# Altium PCB PCB1_done2.PcbDoc (part 3 of 3)
Units mm, origin at the board's own origin, x right, y up, seen from the top; angles counter-clockwise.
Board outline 90.17 x 95.89 mm, 8 copper layers (Top Layer, Top Signal Layer, Vbat-chrg, Internal Plane 1, GND-nBat, Internal Plane 2, Bottom Signal Layer, Bottom Layer), stack 1.566 mm thick; 236 components, 256 nets, 986 pads, 235 vias.
Unrouted connection lines stored in the file: 10.
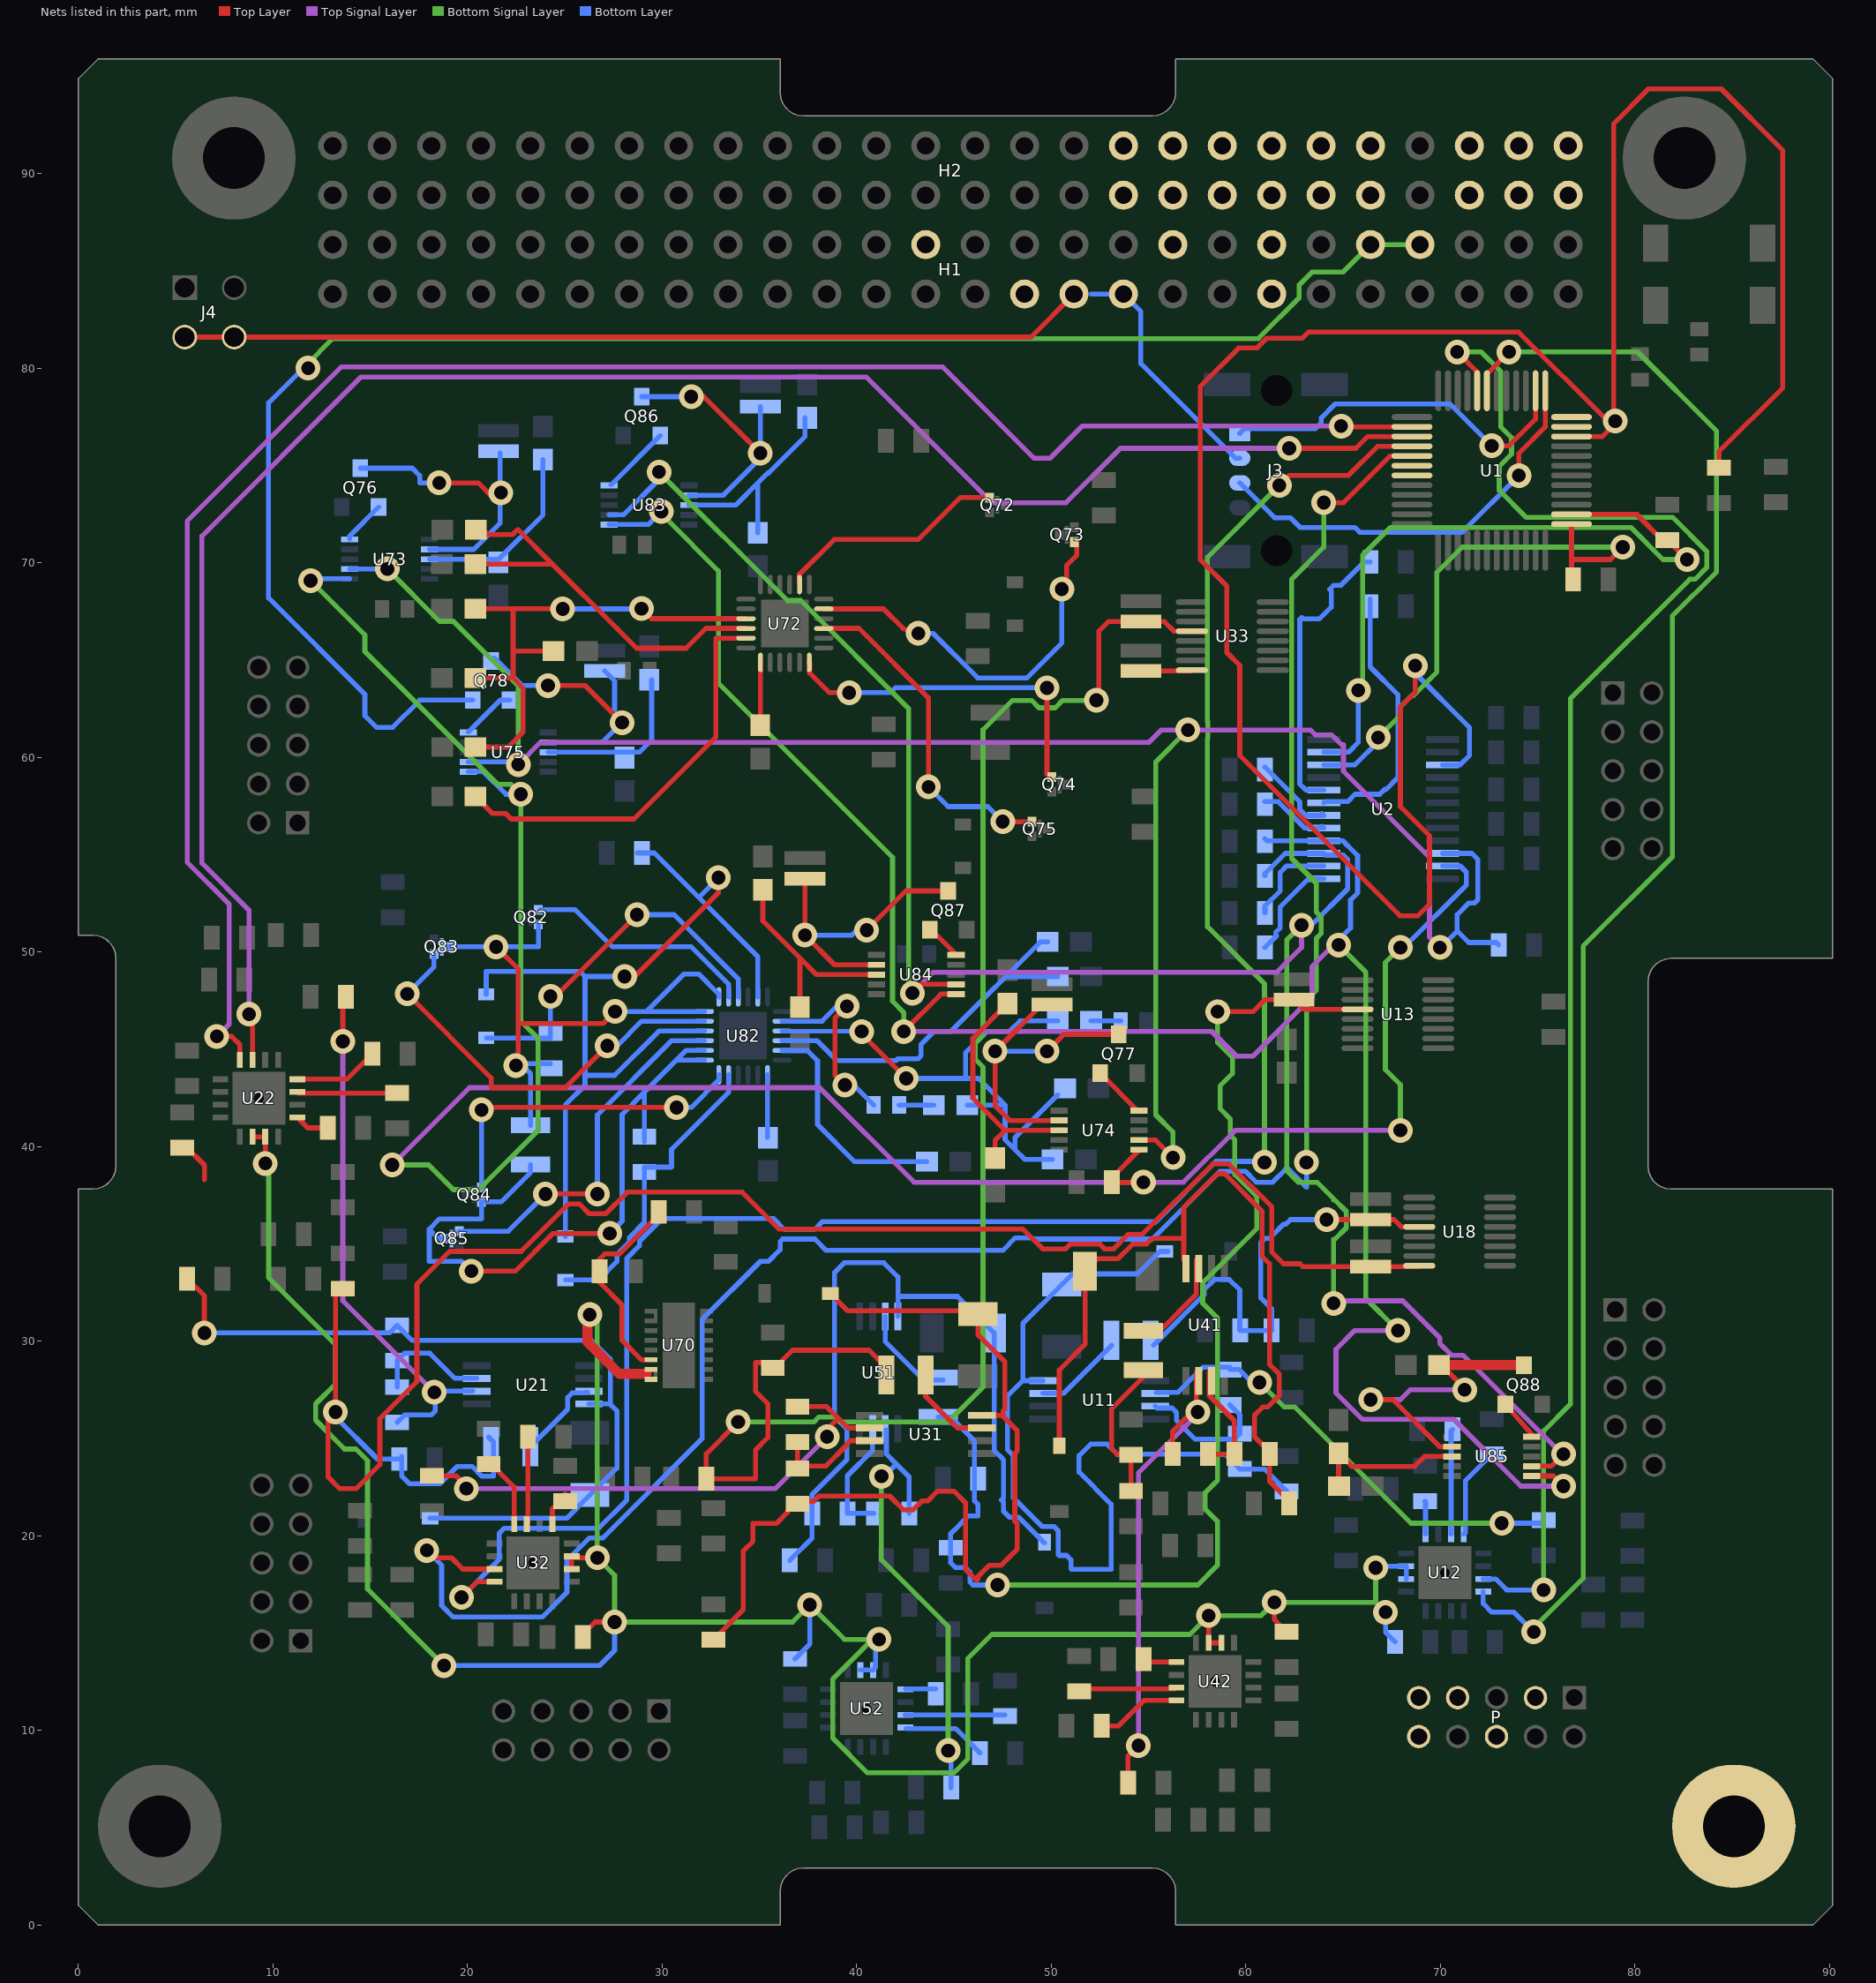
[diagram p9: the nets of this part, all layers, seen from the top]

## Via types
v1: diameter 1.27, hole 0.711, Top Layer to Bottom Layer, 226 vias
v2: diameter 0.5, hole 0.2, Top Layer to Bottom Layer, 8 vias
v3: diameter 1.27, hole 0.711, Top Layer to Bottom Layer, tented bottom, 1 vias

## Nets (pads, with @x,y where several pads share a name; then routed paths per layer and width w, separated by ;. In a path a pad name is that pad's centre, name@x,y a point inside that pad or via, vN(x,y) a via of type N, cw(c..) or ccw(c..) an arc to the next point about the centre after c; other vN are vias at no path point) (continued)
NetC83_2: C83.2 R85.2 | length 1.5
  Bottom Layer w0.254: R85.2@52.057,46.46 C83.2@53.581,46.46
NetC84_1: C84.1 R87.2 | length 1.8
  Bottom Layer w0.254: C84.1@42.191,42.142 R87.2@43.979,42.142
NetC84_2: C84.2 U82.2 | length 10.1
  Top Layer w0.254: v1(39.402,43.166) 38.894,43.674 38.894,46.607 v1(39.509,47.222)
  Bottom Layer w0.254: U82.2@36.175,46.448 38.227,46.448 39.001,47.222 v1(39.509,47.222) ; v1(39.402,43.166) 39.857,43.166 C84.2@40.881,42.142
NetC86_1: C86.1 D82.2 D83.2 U82.16 U82.23 | length 48.5
  Top Layer w0.254: v1(28.079,48.746) 28.599,48.746 32.905,53.052 v1(32.905,53.826)
  Bottom Layer w0.254: D82.2@20.967,47.829 20.967,49 25.793,49 26.047,48.746 ; D83.2@25.031,35.383 25.031,42.142 26.047,43.158 26.047,43.666 ; v1(28.079,48.746) 26.047,48.746 ; C86.1@28.729,55.096 29.603,55.096 31.889,52.81 ; U82.16@32.175,45.948 29.853,45.948 27.571,43.666 26.047,43.666 ; v1(32.905,53.826) 31.889,52.81 ; U82.23@34.925,47.698 34.925,49.774 31.889,52.81 ; 26.047,43.666 26.047,48.746
NetC87_1: C87.1 D82.1 U82.21 | length 19.1
  Top Layer w0.254: v1(24.269,47.73) 24.523,47.73 v1(28.714,51.921)
  Bottom Layer w0.254: D82.1@20.98,45.586 24.269,45.586 v1(24.269,47.73) ; v1(28.714,51.921) 30.619,51.921 33.925,48.615 U82.21@33.925,47.698
NetC87_2: C87.2 L82.1 Q82.2 Q83.3 Q83.4 U82.18 U82.19 | length 32.4
  Top Layer w0.254: v1(21.475,50.27) 22.618,49.127 22.618,46.333 ; v1(22.491,44.174) 22.618,44.301 22.618,46.333 ; v1(27.591,46.948) 26.976,46.333 22.618,46.333
  Bottom Layer w0.254: Q83.3@18.873,50.27 v1(21.475,50.27) 23.634,50.27 23.647,50.283 Q82.2@23.647,51.419 ; L82.1@23.249,41.095 23.249,43.746 22.72,44.276 C87.2@24.269,44.276 ; v1(27.591,46.948) U82.18@32.175,46.948 ; 29.222,46.968 31.127,48.873 31.889,48.873 32.925,47.837 U82.19@32.925,47.698
NetC88_1: C88.1 D83.1 U82.11 | length 15.8
  Bottom Layer w0.254: D83.1@25.031,33.153 26.737,33.153 27.681,34.097 27.681,34.465 28.333,35.117 28.333,35.34 29.095,36.102 29.095,38.952 30.477,38.952 ; 30.492,38.967 30.492,39.856 33.425,42.789 U82.11@33.425,43.698
NetC88_2: C88.2 L82.2 Q84.2 Q85.3 Q85.4 U82.13 U82.14 | length 36.2
  Top Layer w0.254: v1(20.201,33.602) 22.46,33.602 24.396,35.538 v1(27.317,35.538)
  Bottom Layer w0.254: Q85.3@18.977,35.284 Q85.3@18.806,35.284 18.519,35.284 18.042,35.761 ; v1(20.201,33.602) 19.693,34.11 18.042,34.11 18.042,35.761 ; 20.609,36.29 18.571,36.29 18.042,35.761 ; Q84.2@20.722,37.164 Q84.2@20.726,37.164 ; 20.726,36.29 Q84.2@20.726,37.164 ; L82.2@23.249,39.079 23.249,38.682 21.731,37.164 Q84.2@20.726,37.164 ; v1(27.317,35.538) 27.952,36.173 27.952,41.654 29.095,42.797 ; C88.2@29.095,40.262 29.095,42.797 ; U82.13@32.175,44.448 30.746,44.448 ; U82.14@32.175,44.948 31.246,44.948 30.746,44.448 ; 29.095,42.797 30.746,44.448
NetCf11_1: Cf11.1 Rf11.2 U11.7 | length 7.1
  Bottom Layer w0.254: U11.7@55.355,26.668 55.456,26.566 56.224,26.566 56.447,26.343 56.447,25.931 57.412,24.966 59.419,24.966 Rf11.2@59.698,25.245 59.698,26.225 Cf11.1@59.19,26.733
NetCf11_2: Cf11.2 Rf12.2 U11.6 | length 24.1
  Bottom Signal Layer w0.254: v1@60.714,27.938 v1(60.714,27.887) 61.984,26.617 62.532,26.617 68.501,20.648 v1(73.16,20.648)
  Bottom Layer w0.254: U11.6@55.411,27.379 56.523,27.379 57.818,28.674 Cf11.2@59.19,28.674 ; Cf11.2@59.19,28.547 59.673,28.547 60.587,27.633 60.714,27.76 v1(60.714,27.887) ; v1(73.16,20.648) 75.167,20.648 Rf12.2@75.319,20.8
NetCf21_1: Cf21.1 Rf21.2 U21.7 | length 6.1
  Bottom Layer w0.254: Cf21.1@16.391,27.644 Rf21.2@16.391,29.005 16.772,29.386 18.067,29.386 19.363,28.09 U21.7@20.48,28.09
NetCf21_2: Cf21.2 Rf22.2 U21.6 | length 26.5
  Top Layer w0.254: v1(13.597,45.413) 13.597,47.547 Rf22.2@13.749,47.699
  Top Signal Layer w0.254: v1(13.597,45.413) 13.597,32.078 v1(18.296,27.379)
  Bottom Layer w0.254: Cf21.2@16.391,25.83 16.772,26.211 18.144,26.211 18.34,26.407 v1@18.34,26.801 ; v1@18.677,27.435 U21.6@20.262,27.435
NetCf31_1: Cf31.1 Rf31.2 U31.7 | length 5.5
  Top Layer w0.254: Cf31.1@36.965,24.828 36.965,23.594 38.427,23.594 39.505,24.672 39.505,24.712 39.683,24.89 U31.7@40.673,24.89
NetCf31_2: Cf31.2 Rf32.2 U31.6 | length 27.2
  Top Layer w0.254: Rf32.2@18.169,23.086 19.414,23.086 19.947,22.553 v1(19.947,22.426) ; Cf31.2@36.965,26.642 38.464,26.642 39.012,26.094 ; v1(38.489,25.093) 38.489,25.474 39.012,25.997 39.012,26.094 ; U31.6@40.673,25.545 39.561,25.545 39.012,26.094
  Top Signal Layer w0.254: v1(19.947,22.426) 35.822,22.426 v1(38.489,25.093)
NetCf41_1: Cf41.1 Rf41.2 U41.7 | length 6.1
  Top Layer w0.254: Cf41.1@58.058,24.204 Rf41.2@59.419,24.204 59.419,25.92 58.123,27.216 U41.7@58.123,28.42
NetCf41_2: Cf41.2 Rf42.2 U41.6 | length 25.3
  Top Layer w0.254: Rf42.2@53.958,7.313 53.958,8.685 v1(54.491,9.218) ; Cf41.2@56.244,24.204 56.244,25.365 v1@57.093,26.214 ; v1@57.241,26.065 57.468,26.292 U41.6@57.468,28.42
  Top Signal Layer w0.254: v1(54.491,9.218) 54.491,23.228 57.539,26.276 v1(57.539,26.363)
NetCf51_1: Cf51.1 Rf51.2 U51.7 | length 5.6
  Bottom Layer w0.254: U51.7@40.826,24.89 40.826,24.382 39.53,23.086 Rf51.2@39.53,21.156 Cf51.1@40.891,21.156
NetCf51_2: Cf51.2 Rf52.2 U51.6 | length 23.3
  Bottom Signal Layer w0.254: v1(41.283,23.061) 41.283,18.764 44.712,15.335 v1(44.712,8.964)
  Bottom Layer w0.254: v1(41.283,23.061) 41.41,23.061 42.045,23.696 ; U51.6@41.537,25.443 41.537,24.204 42.045,23.696 ; Cf51.2@42.705,21.156 42.705,23.036 42.045,23.696 ; v1(44.712,8.964) 44.864,8.812 Rf52.2@44.864,7.059
NetCout1_2: Cout1.2 Dout1.1 Rf11.1 Rs1.1 U11.4 | length 45.4
  Bottom Layer w0.254: U11.4@49.584,27.973 48.548,27.973 ; Dout1.1@56.015,34.618 55.601,34.618 54.445,33.462 51.1,33.462 Cout1.2@50.554,32.916 48.548,30.91 48.548,27.973 ; Rs1.1@62.111,22.299 60.979,23.431 Rf11.1@59.698,23.431 58.925,24.204 53.388,24.204 52.88,24.712 52.038,24.712 51.443,24.117 51.443,23.275 53.086,21.632 53.086,18.288 51.054,18.288 51.021,18.321 51.021,18.772 50.798,18.995 50.41,18.995 50.371,19.035 50.371,20.254 50.148,20.477 49.538,20.477 48.065,21.951 48.065,24.122 47.752,24.435 47.752,27.177 48.548,27.973
NetCout2_2: Cout2.2 Dout2.1 Rf21.1 Rs2.1 U21.4 | length 42.5
  Top Layer w0.254: Rs2.1@5.596,33.221 6.474,32.343 v1@6.474,30.3
  Bottom Layer w0.254: v1(6.485,30.427) 15.999,30.427 Rf21.1@16.391,30.819 17.164,30.046 26.383,30.046 27.343,29.086 27.343,26.761 27.681,26.423 27.681,23.48 Cout2.2@26.297,22.096 25.103,20.902 Dout2.1@18.081,20.902 ; U21.4@26.251,26.785 27.32,26.785
NetCout3_2: Cout3.2 Dout3.1 Rf31.1 Rs3.1 U31.4 | length 48.6
  Top Layer w0.254: Rs3.1@32.647,14.668 34.171,16.192 ; 34.171,16.203 34.171,19.207 34.679,19.715 34.679,20.637 35.883,20.637 36.457,21.211 36.457,21.272 36.965,21.78 37.801,21.78 38.066,22.045 41.704,22.045 42.413,21.336 42.904,21.336 43.359,21.791 43.656,21.791 44.164,22.299 45.006,22.299 45.601,21.704 45.601,18.28 46.164,17.716 46.236,17.788 46.236,17.894 46.831,18.489 47.445,18.489 48.26,19.304 48.26,20.625 48.133,20.752 48.133,24.235 48.26,24.362 48.26,25.415 47.48,26.195 U31.4@46.444,26.195 ; Dout3.1@38.655,32.459 39.544,31.57 46.058,31.57 Cout3.2@46.236,31.392 46.236,30.344 47.62,28.959 47.62,26.503 47.536,26.419 47.536,26.139
NetCout4_2: Cout4.2 Dout4.1 Rf41.1 Rs4.1 U41.4 | length 40.4
  Top Layer w0.254: Dout4.1@50.427,24.624 50.427,28.522 51.748,29.843 Cout4.2@51.748,33.602 52.383,34.237 53.431,34.237 54.181,34.986 54.899,34.986 55.196,35.283 56.818,35.283 ; U41.4@56.818,34.191 56.818,36.879 58.547,38.608 58.928,38.608 60.841,36.695 60.841,34.368 61.222,33.987 61.222,28.816 61.73,28.308 61.73,27.212 61.135,26.617 60.881,26.617 60.46,26.196 60.46,25.097 61.233,24.324 Rf41.1@61.233,24.204 61.233,22.796 Rs4.1@62.365,21.664
NetCout5_2: Cout5.2 Dout5.1 Rf51.1 Rs5.1 U51.4 | length 40
  Bottom Layer w0.254: Rs5.1@36.573,18.743 37.716,19.886 Rf51.1@37.716,21.156 37.716,22.119 39.505,23.908 39.505,25.514 38.87,26.149 38.87,33.536 39.37,34.036 41.402,34.036 42.131,33.307 U51.4@42.131,31.27 ; 42.131,32.306 45.195,32.306 Cout5.2@47.074,30.427 47.074,24.394 47.557,23.912 47.557,21.956 47.449,21.848 47.557,21.74 47.557,21.253 47.854,20.955 48.342,20.955 Dout5.1@49.665,19.632
NetJ4_1: 
NetLx1_2: Lx1.2 U11.3 | length 4.5
  Bottom Layer w0.254: U11.3@49.584,27.323 50.641,27.323 Lx1.2@53.11,29.792
NetLx2_2: Lx2.2 U21.3 | length 4.5
  Bottom Layer w0.254: Lx2.2@23.233,24.585 25.159,26.511 25.159,27.121 25.382,27.344 25.992,27.344 26.027,27.379 U21.3@26.195,27.379
NetLx3_2: Lx3.2 U31.3 | length 4.7
  Top Layer w0.254: Lx3.2@43.553,28.268 43.553,27.166 44.991,25.728 45.006,25.728 45.189,25.545 U31.3@46.444,25.545
NetLx4_2: Lx4.2 U41.3 | length 5.3
  Top Layer w0.254: Lx4.2@54.745,30.538 55.593,30.538 57.468,32.413 U41.3@57.468,34.191
NetLx5_2: Lx5.2 U51.3 | length 5.1
  Bottom Layer w0.254: U51.3@41.481,31.27 41.481,29.975 43.442,28.014 Lx5.2@44.458,28.014
NetQ72_1: Q72.1 U72.20 | length 11.9
  Top Layer w0.254: U72.20@37.068,68.888 37.068,69.416 38.858,71.206 43.176,71.206 45.329,73.359 Q72.1@46.759,73.359
NetQ73_1: Q73.1 U72.17 | length 20
  Top Layer w0.254: U72.17@38.318,67.638 41.386,67.638 42.39,66.634 v1(43.176,66.38) ; v1(50.554,68.654) 50.73,68.654 50.808,68.732 50.808,69.88 51.316,70.388 Q73.1@51.316,71.085
  Bottom Layer w0.254: v1(43.176,66.38) 43.938,66.38 46.224,64.094 48.764,64.094 50.554,65.884 v1(50.554,68.654)
NetQ74_1: Q74.1 U72.12 | length 17.8
  Top Layer w0.254: U72.12@37.568,64.888 37.588,64.868 37.588,64.348 38.604,63.332 v1(39.62,63.332) ; v1(49.792,63.574) 49.792,59.15 Q74.1@49.946,58.996
  Bottom Layer w0.254: v1(39.62,63.332) 41.739,63.332 41.993,63.586 v1@49.665,63.586
NetQ75_1: Q75.1 U72.15 | length 17.5
  Top Layer w0.254: U72.15@38.318,66.638 40.124,66.638 43.696,63.066 v1(43.696,58.494) ; v1(47.518,56.704) Q75.1@49.017,56.704
  Bottom Layer w0.254: v1(43.696,58.494) 44.712,57.478 46.744,57.478 v1(47.518,56.704)
NetQ76_1: Q76.1 U73.10 | length 2.3
  Bottom Layer w0.254: U73.10@13.953,71.231 13.953,71.39 Q76.1@15.436,72.873
NetQ76_3: Q76.3 R710.1 U73.2 | length 16.1
  Top Layer w0.254: v1(18.55,74.115) 20.555,74.115 21.317,73.353 21.571,73.607 v1(21.725,73.607)
  Bottom Layer w0.254: Q76.3@14.486,74.873 17.169,74.873 17.55,74.492 17.55,74.115 v1(18.55,74.115) v1@18.55,73.984 ; U73.2@18.055,70.698 20.328,70.698 21.686,72.056 R710.1@21.686,75.661
NetQ77_1: Q77.1 U74.10 | length 2.7
  Top Layer w0.254: Q77.1@52.525,43.778 U74.10@54.421,41.882
NetQ77_3: Q77.3 R713.1 U74.2 | length 17
  Top Layer w0.254: v1(49.792,44.905) 50.665,45.778 Q77.3@53.475,45.778 ; R713.1@50.046,47.357 49.577,47.357 v1(47.125,44.905) 47.125,42.111 47.887,41.349 U74.2@50.414,41.349
  Bottom Layer w0.254: v1(47.125,44.905) v1(49.792,44.905)
NetQ78_1: Q78.1 U75.10 | length 2.8
  Bottom Layer w0.254: U75.10@20.049,61.313 21.69,62.955 Q78.1@22.167,62.955
NetQ78_3: Q78.3 R716.1 U75.2 | length 15.2
  Top Layer w0.254: v1(24.138,63.701) 26.043,63.701 v1(27.948,61.796)
  Bottom Layer w0.254: Q78.3@21.36,65.098 21.413,65.098 22.81,63.701 v1(24.138,63.701) ; U75.2@24.151,60.78 26.932,60.78 v1(27.948,61.796) 27.567,62.177 27.567,63.938 R716.1@27.059,64.446
NetQ82_1: Q82.1 U82.20 | length 11.9
  Bottom Layer w0.254: Q82.1@23.74,52.175 25.539,52.175 27.444,50.27 31.508,50.27 33.425,48.353 U82.20@33.425,47.698
NetQ83_1: Q83.1 U82.17 | length 21.6
  Top Layer w0.254: v1(16.903,47.857) 21.221,43.539 21.221,43.031 25.031,43.031 v1(27.19,45.19)
  Bottom Layer w0.254: v1(16.903,47.857) 18.287,49.241 Q83.1@18.287,49.895 ; v1(27.19,45.19) 27.698,45.19 28.956,46.448 U82.17@32.175,46.448
NetQ84_1: Q84.1 U82.12 | length 17
  Top Layer w0.254: v1@20.726,42.015 v1(30.746,42.015)
  Bottom Layer w0.254: Q84.1@20.726,37.914 v1(20.726,41.888) ; v1(30.746,42.015) 31.508,42.015 32.925,43.432 U82.12@32.925,43.698
NetQ85_1: Q85.1 U82.15 | length 19
  Top Layer w0.254: v1(24.015,37.57) v1(26.682,37.57)
  Bottom Layer w0.254: Q85.1@19.583,35.659 22.104,35.659 v1(24.015,37.57) ; v1(26.682,37.57) 26.682,41.634 30.496,45.448 U82.15@32.175,45.448
NetQ86_1: Q86.1 U83.10 | length 3.6
  Bottom Layer w0.254: U83.10@27.383,74.013 Q86.1@29.914,76.544
NetQ86_3: Q86.3 R810.1 U83.2 | length 14.4
  Top Layer w0.254: v1(31.504,78.544) 32.155,78.544 v1(35.06,75.639)
  Bottom Layer w0.254: Q86.3@28.964,78.544 v1(31.504,78.544) ; U83.2@31.39,73.48 33.155,73.48 35.06,75.385 v1(35.06,75.639) R810.1@35.06,78.035
NetQ87_1: Q87.1 U84.10 | length 1.9
  Top Layer w0.254: Q87.1@43.81,51.192 U84.10@45.118,49.883
NetQ87_3: Q87.3 R813.1 U84.2 | length 15.5
  Top Layer w0.254: R813.1@37.346,53.778 v1(37.346,50.874) 38.87,49.35 39.505,49.35 U84.2@41.016,49.35 ; v1(40.521,51.128) 42.537,53.144 Q87.3@44.712,53.144
  Bottom Layer w0.254: v1(37.346,50.874) 39.759,50.874 40.013,51.128 v1(40.521,51.128)
NetQ88_1: Q88.1 U85.10 | length 2.2
  Top Layer w0.254: Q88.1@73.353,26.76 U85.10@74.811,25.093
NetQ88_3: Q88.3 R816.1 U85.2 | length 16.3
  Top Layer w0.254: v1(66.429,26.998) 67.567,26.998 69.98,24.585 U85.2@70.607,24.585 ; R816.1@70.073,28.776 71.255,27.594 v1(71.255,27.506)
  Top Layer w0.508: R816.1@70.073,28.776 Q88.3@74.43,28.776
  Top Signal Layer w0.254: v1(66.429,26.998) 67.953,26.998 68.461,27.506 v1(71.255,27.506)
NetR9_2: R9.2 U33.8 | length 2.6
  Top Layer w0.254: R9.2@54.618,64.446 U33.8@57.228,64.446
NetR14_1: R14.1 U12.16 | length 4.7
  Bottom Layer w0.254: U12.16@71.214,20.089 71.291,20.167 71.291,22.843 71.302,22.843 R14.1@72.652,24.193
NetR15_1: R15.1 U12.15 | length 5.4
  Bottom Layer w0.254: U12.15@70.564,20.089 70.564,25.407 R15.1@70.631,25.474
NetR16_1: R16.1 U12.13 | length 1.7
  Bottom Layer w0.254: R16.1@69.223,21.78 69.248,21.755 U12.13@69.248,20.089
NetR24_1: R24.1 U22.16 | length 4.4
  Top Layer w0.254: U22.16@11.26,43.467 13.799,43.467 R24.1@15.11,44.778
NetR25_1: R25.1 U22.15 | length 5.2
  Top Layer w0.254: U22.15@11.26,42.817 11.32,42.757 R25.1@16.391,42.757
NetR26_1: R26.1 U22.13 | length 1.8
  Top Layer w0.254: U22.13@11.26,41.501 11.794,40.968 R26.1@12.824,40.968
NetR34_1: R34.1 U32.16 | length 3.8
  Top Layer w0.254: R34.1@21.09,23.823 22.401,22.512 U32.16@22.401,20.597
NetR35_1: R35.1 U32.15 | length 4.9
  Top Layer w0.254: U32.15@23.051,20.597 23.111,20.657 R35.1@23.111,25.474
NetR36_1: R36.1 U32.13 | length 1.8
  Top Layer w0.254: U32.13@24.367,20.597 24.367,21.385 25.027,22.045 R36.1@25.027,22.161
NetR44_1: R44.1 U42.16 | length 4.4
  Top Layer w0.254: R44.1@52.597,10.234 53.475,10.234 54.786,11.545 U42.16@56.447,11.545
NetR45_1: R45.1 U42.15 | length 5.1
  Top Layer w0.254: R45.1@51.443,11.758 51.813,12.128 U42.15@56.38,12.128
NetR46_1: R46.1 U42.13 | length 1.8
  Top Layer w0.254: R46.1@54.756,13.663 54.908,13.511 U42.13@56.447,13.511
NetR54_1: R54.1 U52.16 | length 4.3
  Bottom Layer w0.254: U52.16@42.554,10.096 45.093,10.096 R54.1@46.352,8.837
NetR55_1: R55.1 U52.15 | length 5.1
  Bottom Layer w0.254: U52.15@42.502,10.798 R55.1@47.633,10.798
NetR56_1: R56.1 U52.13 | length 1.5
  Bottom Layer w0.254: U52.13@42.528,12.139 R56.1@44.066,12.139
NetR70_1: R70.1 R71.2 U70.6 | length 10.5
  Top Layer w0.254: U70.6@29.444,29.042 28.952,29.042 27.94,30.054 27.94,31.877 26.794,33.023 R70.1@26.794,33.602 26.794,34.226 27.059,34.491 27.821,34.491 R71.2@29.828,36.498
NetR72_1: R72.1 R73.2 U72.4 | length 21
  Top Layer w0.254: R73.2@20.404,71.714 20.801,71.714 21.055,71.46 22.317,71.46 22.571,71.714 22.602,71.714 24.38,69.936 ; R72.1@20.418,69.936 24.38,69.936 ; U72.4@34.318,66.638 32.258,66.638 31.238,65.618 28.698,65.618 27.678,66.638 24.38,69.936
NetR74_1: R74.1 R75.1 R76.2 R77.1 U72.3 | length 27.6
  Top Layer w0.254: R75.1@20.316,67.65 24.888,67.65 v1(24.9,67.638) ; R74.1@20.404,64.094 22.348,64.094 ; R76.2@20.418,60.538 22.094,60.538 22.856,61.3 22.856,63.586 22.348,64.094 ; 22.348,67.65 22.348,65.479 ; R77.1@24.431,65.479 22.348,65.479 ; v1(28.952,67.65) 29.464,67.138 U72.3@34.318,67.138 ; 22.348,64.094 22.348,65.479
  Bottom Layer w0.254: v1(24.9,67.638) 28.94,67.638 v1(28.952,67.65)
NetR78_2: R78.2 U72.7 | length 3.2
  Top Layer w0.254: R78.2@35.068,61.676 U72.7@35.068,64.888
NetR79_2: R79.2 U72.5 | length 21.2
  Top Layer w0.254: R79.2@20.418,57.998 21.288,57.128 21.963,57.128 22.248,56.843 28.559,56.843 32.774,61.058 32.774,66.138 U72.5@34.318,66.138
NetR82_1: R82.1 R83.2 U82.4 | length 19.6
  Bottom Layer w0.254: U82.4@36.175,45.448 37.967,45.448 38.987,44.428 42.036,44.428 42.132,44.524 43.166,44.524 43.315,44.673 43.315,45.251 43.985,45.921 44.839,45.921 49.442,50.524 R83.2@49.821,50.524 ; 47.686,48.746 R82.1@50.343,48.746
NetR84_1: R84.1 R85.1 R86.2 R87.1 U82.3 | length 30.1
  Top Layer w0.254: v1(40.267,45.921) 40.267,45.794 v1(42.553,43.508)
  Bottom Layer w0.254: U82.3@36.175,45.948 v1(40.267,45.921) ; v1(42.553,43.508) 45.601,43.508 ; R87.1@45.693,42.142 47.637,42.142 ; R86.2@50.075,39.348 48.653,39.348 48.141,39.86 ; R84.1@50.337,42.656 48.141,40.46 48.141,39.86 ; R85.1@50.343,46.46 48.399,46.46 47.86,45.921 46.704,45.921 45.601,44.818 45.601,43.508 ; 45.601,43.508 46.271,43.508 47.637,42.142 ; 47.637,42.142 47.637,40.364 48.141,39.86
NetR88_2: R88.2 U82.7 | length 3.2
  Bottom Layer w0.254: R88.2@35.425,40.486 U82.7@35.425,43.698
NetR89_2: R89.2 U82.5 | length 11.7
  Bottom Layer w0.254: U82.5@36.175,44.948 36.187,44.936 37.477,44.936 37.997,44.416 37.997,41.138 39.906,39.229 R89.2@43.618,39.229
NetR711_1: R711.1 R712.2 U73.3 | length 9.6
  Bottom Layer w0.254: U73.3@18.055,70.19 21.598,70.19 23.884,72.476 R711.1@23.884,75.309
NetR714_1: R714.1 R715.2 U74.3 | length 12.4
  Top Layer w0.254: R715.2@47.125,39.419 47.125,40.333 47.633,40.841 ; R714.1@47.76,47.357 45.982,45.579 45.982,42.492 47.633,40.841 ; U74.3@50.414,40.841 47.633,40.841
NetR717_1: R717.1 R718.2 U75.3 | length 8.7
  Bottom Layer w0.254: U75.3@24.151,60.272 28.837,60.272 29.472,60.907 R717.1@29.472,63.994
NetR811_1: R811.1 R812.2 U83.3 | length 10.9
  Bottom Layer w0.254: U83.3@31.39,72.972 33.79,72.972 34.933,74.115 ; R812.2@34.933,71.55 34.933,74.115 ; R811.1@37.346,77.456 37.346,76.488 35.481,74.623 35.441,74.623 34.933,74.115
NetR814_1: R814.1 R815.2 U84.3 | length 11.1
  Top Layer w0.254: R814.1@35.187,53.199 35.187,51.596 37.092,49.691 ; R815.2@37.092,47.166 37.092,49.691 ; U84.3@41.016,48.842 38.576,48.842 37.941,48.842 37.092,49.691
NetR817_1: R817.1 R818.2 U85.3 | length 7.6
  Top Layer w0.254: R818.2@64.778,22.528 R817.1@64.778,24.077 ; R817.1@64.944,24.077 65.452,23.569 68.683,23.569 69.191,24.077 U85.3@70.607,24.077
PA0: H2.47
PA1: H2.48
PA2: H2.49
PA3: H2.50
PA22: H1.26
PA30: H1.40
PA31: H1.39
PB26: H1.36
PC11: H2.51
PC16: H2.52
PC17: H2.34
PC18: H2.33
PC19: H2.36
PC20: H2.35
PC21: H2.38
PC22: H2.37
PC23: H2.40
PC24: H2.39
PC25: H2.42
PC26: H2.41
PC27: H2.44
PC28: H2.43
PTT: H1.44 H1.46 Q78.2 | length 88.1
  Bottom Signal Layer w0.254: v1(11.811,80.01) 11.684,80.137 13.081,81.534 60.654,81.534 62.75,83.63 62.75,84.288 63.413,84.951 65.012,84.951 H1.44@66.421,86.36 H1.46@68.961,86.36
  Bottom Layer w0.254: v1(11.811,80.01) 11.684,80.137 9.779,78.232 9.779,68.199 14.728,63.25 14.728,62.149 15.323,61.554 16.165,61.554 17.534,62.923 17.534,62.955 Q78.2@20.267,62.955 ; H1.46@68.834,86.487 H1.46@69.088,86.487
RESET: R18.1 U1.46 U2.3 | length 124.5
  Top Layer w0.254: v1(68.715,64.717) 68.715,63.36 67.953,62.598 67.953,57.474 69.453,55.974 69.453,52.465 68.858,51.87 67.933,51.87 59.698,60.105 59.698,64.738 59.031,65.404 59.031,68.813 57.666,70.178 57.666,79.068 59.649,81.051 60.587,81.051 61.095,81.559 62.917,81.559 63.22,81.862 74.041,81.862 78.613,77.29 v1(79.002,77.29) 78.926,77.366 78.926,92.581 80.706,94.361 84.455,94.361 87.609,91.207 87.609,78.998 84.336,75.725 R18.1@84.336,74.888 ; U1.46@76.752,76.5 78.339,76.5 v1@79.066,77.227
  Bottom Layer w0.254: v1(68.715,64.717) 68.715,64.336 71.509,61.542 71.509,60.107 71.028,59.626 U2.3@70.114,59.626
RST: J3.1 U1.2 | length 18.9
  Top Layer w0.254: v1(72.652,76.02) 73.541,76.02 74.902,77.381 U1.2@74.902,78.85
  Bottom Layer w0.254: J3.1@59.698,76.655 59.952,76.909 63.595,76.909 63.889,77.203 63.889,77.457 64.611,78.179 70.493,78.179 v1(72.652,76.02)
SC3: R133.2 U2.11 U74.6 U75.6 | length 125.2
  Top Layer w0.254: U74.6@54.516,39.808 53.119,38.411 R133.2@53.119,38.174 v1(54.745,38.174)
  Top Signal Layer w0.254: v1(16.137,39.063) 20.105,43.031 38.1,43.031 42.957,38.174 v1(54.745,38.174) 56.802,38.174 59.469,40.841 v1(67.953,40.841)
  Bottom Signal Layer w0.254: v1(11.938,69.088) 14.728,66.298 14.728,65.451 21.558,58.621 22.233,58.621 v1(22.741,58.113) 22.741,46.456 23.63,45.567 23.63,40.841 20.582,37.793 19.277,37.793 18.007,39.063 v1(16.137,39.063) ; v1(67.953,40.841) 67.953,43.191 67.183,43.961 67.183,49.469 v1(67.953,50.239)
  Bottom Layer w0.254: v1(11.938,69.088) 12.04,69.19 13.953,69.19 ; U75.6@20.049,59.272 20.82,59.272 21.979,58.113 v1(22.741,58.113) ; v1(67.953,50.239) 68.141,50.239 71.345,53.443 71.345,54.109 71.028,54.426 U2.11@70.114,54.426
SC4: R142.2 U2.14 | length 4.8
  Bottom Layer w0.254: R142.2@60.993,52.017 60.993,52.367 61.781,53.155 61.781,54.1 62.107,54.426 U2.14@64.014,54.426
SC5: R152.2 U2.16 U83.6 U84.6 U85.6 | length 116.4
  Top Layer w0.254: v1(42.426,45.921) 44.347,47.842 U84.6@45.118,47.842 ; U85.6@74.709,23.077 75.811,23.077 v1(76.335,22.553)
  Top Signal Layer w0.254: v1(42.426,45.921) 58.261,45.921 59.531,44.651 60.373,44.651 63.421,47.699 63.421,49.263 64.651,50.493 v1(64.778,50.366) ; v1(67.826,30.554) 65.606,30.554 64.643,29.591 64.643,27.347 66.008,25.982 70.712,25.982 74.141,22.553 v1(76.335,22.553)
  Bottom Signal Layer w0.254: v1@30.279,72.591 30.279,72.21 32.901,69.588 32.901,63.828 41.855,54.875 41.855,47.469 42.426,46.897 v1(42.426,45.921) ; v1(64.778,50.366) 66.175,48.969 66.175,32.205 v1(67.826,30.554)
  Bottom Layer w0.254: U83.6@27.288,71.972 29.3,71.972 v1@29.569,72.241 ; R152.2@60.993,55.827 R152.2@61,55.82 ; R152.2@61.094,55.726 U2.16@64.014,55.726 64.996,55.726 65.159,55.563 65.159,55.533 65.202,55.49 65.232,55.49 65.753,54.969 65.753,53.036 65.391,52.673 65.391,51.233 64.651,50.493 v1(64.778,50.366)
  other v1: 29.972,72.644
SC6: R162.2 U2.18 | length 4.4
  Bottom Layer w0.254: R162.2@60.993,59.51 62.783,57.72 62.783,57.343 63.1,57.026 U2.18@64.014,57.026 U2.18@63.92,57.12
SC7: R172.2 U2.20 | length 15.4
  Bottom Layer w0.254: U2.20@64.014,58.326 63.1,58.326 62.783,58.643 62.783,67.101 62.886,67.204 62.96,67.13 63.802,67.13 64.397,67.725 64.397,68.567 64.323,68.641 64.535,68.853 64.905,68.853 66.103,70.051 R172.2@66.404,70.051
SCA: R100.1 U1.38 U2.23 | length 37.4
  Top Layer w0.254: U1.38@76.752,72.5 80.098,72.5 81.415,71.183 R100.1@81.669,71.183 82.674,70.178 v1(82.685,70.178)
  Top Signal Layer w0.254: v1@66.008,63.447 v1(65.794,63.447) v1@66.175,63.447
  Bottom Signal Layer w0.254: v1@66.008,63.447 66.008,70.392 67.445,71.829 79.804,71.829 81.455,70.178 v1(82.685,70.178)
  Bottom Layer w0.254: U2.23@64.014,60.276 65.29,60.276 65.794,60.78 v1(65.794,63.447) v1@66.175,63.447
SD3: R132.2 U2.10 U73.7 U74.7 U75.7 | length 108.9
  Top Layer w0.254: U74.7@54.516,40.341 55.372,40.341 v1(56.269,39.444)
  Top Signal Layer w0.254: v1(22.614,59.637) 23.757,60.78 55.039,60.78 55.674,61.415 v1(57.031,61.415) 63.337,61.415 63.593,61.159 64.435,61.159 65.032,60.562 65.032,60.653 ; 65.03,60.653 65.03,59.298 69.453,54.875 69.453,50.771 v1(69.985,50.239)
  Bottom Signal Layer w0.254: v1(15.883,69.69) 18.57,67.003 19.277,67.003 22.614,63.666 v1(22.614,59.637) ; v1(56.269,39.444) 56.269,40.749 55.38,41.638 55.38,59.764 v1(57.031,61.415)
  Bottom Layer w0.254: U73.7@13.953,69.69 v1(15.883,69.69) ; U75.7@20.049,59.772 22.479,59.772 v1(22.614,59.637) ; v1(69.985,50.239) 70.025,50.239 70.874,51.088 ; U2.10@70.114,55.076 71.625,55.076 71.941,54.76 71.941,52.703 71.763,52.525 71.469,52.525 70.874,51.93 70.874,51.088 ; R132.2@73.008,50.366 72.881,50.493 71.469,50.493 70.874,51.088
SD4: R143.2 U2.13 | length 5.3
  Bottom Layer w0.254: R143.2@60.993,50.239 61.596,50.841 61.541,50.896 61.541,51.01 61.781,51.25 61.781,52.322 63.235,53.776 U2.13@64.014,53.776
SD5: R153.2 U2.15 U84.7 U85.7 | length 109.5
  Top Layer w0.254: v1(42.871,47.89) 43.323,48.342 U84.7@45.118,48.342 ; U85.7@74.709,23.577 75.708,23.577 v1(76.335,24.204)
  Top Signal Layer w0.254: v1(42.871,47.89) 43.95,48.969 61.603,48.969 62.873,50.239 v1(62.873,51.382) ; v1(64.524,31.951) 64.651,32.078 68.08,32.078 69.985,30.173 69.985,29.879 70.58,29.284 71.172,29.284 76.252,24.204 v1(76.335,24.204)
  Bottom Signal Layer w0.254: v1(29.845,74.676) 36.452,68.069 37.129,68.069 42.68,62.518 42.68,48.08 v1(42.871,47.89) ; v1(62.873,51.382) 62.111,50.62 62.111,38.769 62.706,38.174 63.675,38.174 64.524,37.325 64.524,37.268 64.581,37.268 65.176,36.673 65.176,35.831 64.581,35.236 64.524,35.236 v1(64.524,31.951)
  Bottom Layer w0.254: 27.288,72.472 28.022,72.472 29.845,74.295 v1(29.845,74.676) ; R153.2@60.993,53.922 60.993,54.031 62.039,55.076 U2.15@64.014,55.076 64.108,54.982 65.022,54.982 65.245,54.759 65.245,53.246 63.381,51.382 v1(62.873,51.382)
SD6: R163.2 U2.17 | length 3.7
  Bottom Layer w0.254: R163.2@60.993,57.732 61.676,57.732 63.032,56.376 U2.17@64.014,56.376 U2.17@63.92,56.47
SD7: R173.2 U2.19 | length 14.1
  Bottom Layer w0.254: U2.19@64.014,57.676 64.07,57.732 65.246,57.732 65.627,58.113 66.893,58.113 67.147,58.367 67.231,58.367 67.826,58.962 67.826,63.233 66.404,64.655 R173.2@66.404,68.146
SDA: R101.1 U1.37 U2.22 | length 29.1
  Top Layer w0.254: 76.752,70.178 78.748,70.178 v1(79.383,70.813) ; U1.37@76.752,71.969 76.752,69.242 R101.1@76.832,69.162
  Bottom Signal Layer w0.254: v1(66.81,61.034) 67.953,62.177 67.953,62.598 68.548,63.193 68.628,63.193 69.833,64.398 69.833,69.518 71.128,70.813 v1(79.383,70.813)
  Bottom Layer w0.254: U2.22@64.014,59.626 65.616,59.626 66.81,60.82 v1(66.81,61.034)
SOLARNX: Cin2.1 Lx2.1 R19.2 R23.2 U18.8 | length 97.2
  Top Layer w0.254: Cin2.1@13.597,32.702 13.216,32.321 v1(13.216,26.363) 12.835,25.982 12.835,23.021 13.43,22.426 14.272,22.426 15.502,23.656 15.502,26.022 17.407,27.927 17.407,32.932 19.093,34.618 22.758,34.618 25.202,37.062 25.753,37.062 26.261,36.554 27.103,36.554 28.215,37.666 34.127,37.666 36.032,35.761 48.562,35.761 49.578,34.745 50.739,34.745 50.98,34.986 52.515,34.986 52.757,34.745 53.221,34.745 53.97,35.494 54.689,35.494 58.31,39.116 59.138,39.116 61.352,36.903 61.352,35.422 61.349,35.42 61.349,34.578 61.944,33.983 62.786,33.983 62.788,33.986 62.935,33.839 R19.2@66.429,33.839 68.912,33.839 U18.8@68.926,33.853
  Bottom Layer w0.254: v1(13.216,26.363) 13.216,26.109 15.375,23.95 R23.2@16.493,23.95 ; R23.2@16.62,24.077 16.62,23.086 17.026,22.68 18.592,22.68 19.481,23.569 20.241,23.569 20.749,23.061 21.344,23.061 21.344,24.824 Lx2.1@21.09,25.078
SOLARNY: Cin4.1 Lx4.1 R43.2 | length 7.6
  Top Layer w0.254: Cin4.1@54.11,22.31 R43.2@54.11,24.164 54.07,24.204 53.388,24.204 53.119,24.472 53.119,26.543 Lx4.1@54.922,28.345
SOLARNZ: Cin5.1 Lx5.1 R1.2 R53.2 U13.4 | length 64
  Top Layer w0: 63.635,47.555 63.648,47.568
  Top Layer w0.254: v1(58.555,46.937) 60.373,46.937 60.991,47.555 R1.2@62.492,47.555 62.987,47.06 U13.4@65.751,47.06
  Bottom Signal Layer w0.254: v1(47.252,17.473) 57.539,17.473 58.555,18.489 58.555,20.735 57.92,21.37 57.92,22.212 58.555,22.847 58.555,31.193 57.793,31.955 57.793,33.007 60.579,35.793 60.579,37.424 59.444,38.559 59.444,40.356 59.214,40.586 59.214,41.428 58.682,41.96 58.682,43.114 59.321,43.753 59.321,44.595 58.555,45.361 v1(58.555,46.937)
  Bottom Layer w0.254: Lx5.1@44.204,26.109 44.839,26.109 46.058,24.89 46.058,21.802 46.236,21.624 46.236,21.029 45.753,21.029 45.601,20.877 45.601,20.862 45.006,20.267 44.991,20.267 44.839,20.115 Cin5.1@44.839,19.389 44.839,18.616 45.093,18.362 45.606,18.362 45.83,18.139 45.83,17.625 45.982,17.473 v1(47.252,17.473)
SOLARX: Cin1.1 Lx1.1 R3.2 R13.2 U18.4 | length 23.5
  Top Layer w0.254: v1(64.16,36.252) R3.2@66.429,36.252 67.632,36.252 68,35.884 U18.4@68.926,35.884
  Bottom Layer w0.254: Lx1.1@55.268,29.792 57.869,32.393 57.869,32.637 58.405,33.172 59.162,33.172 59.698,32.637 59.698,30.579 R13.2@59.723,30.554 Cin1.1@61.338,30.554 61.338,31.668 60.821,32.185 60.778,32.229 60.778,35.063 61.007,35.292 61.344,35.292 61.349,35.297 61.349,35.42 61.944,36.015 62.067,36.015 62.304,36.252 v1(64.16,36.252)
SOLARY: Cin3.1 Lx3.1 R33.2 R115.2 U33.4 | length 84.2
  Top Layer w0.254: v1(33.917,25.855) 32.277,24.215 Cin3.1@32.277,22.934 34.806,22.934 ; 34.817,22.934 34.817,24.426 35.441,25.05 35.441,26.787 34.817,27.411 34.817,28.903 R33.2@36.178,28.903 ; R33.2@35.936,28.763 36.711,29.538 40.648,29.538 41.522,28.664 Lx3.1@41.522,27.887 ; v1@52.459,62.939 52.459,66.495 52.95,66.986 R115.2@54.618,66.986 55.821,66.986 56.316,66.491 U33.4@57.242,66.491
  Bottom Signal Layer w0.254: v1(33.917,25.855) 37.814,25.855 38.068,26.109 38.91,26.109 39.164,25.855 44.712,25.855 46.502,27.645 46.502,44.091 46.109,44.484 46.109,45.326 46.502,45.719 46.502,61.427 48.014,62.939 48.99,62.939 49.371,62.558 50.213,62.558 50.594,62.939 v1(52.332,62.939)
ST1NX: U1.14 U22.4 | length 98.7
  Top Layer w0.254: v1(7.12,45.667) 7.882,45.667 8.304,45.245 U22.4@8.304,44.467 ; v1(64.905,77.036) 64.941,77 U1.14@68.552,77
  Top Signal Layer w0.254: v1(7.12,45.667) 7.755,46.302 7.755,52.458 5.596,54.617 5.596,72.144 13.536,80.084 44.418,80.084 49.117,75.385 49.959,75.385 51.61,77.036 v1(64.905,77.036)
ST1NY: U1.18
ST1NZ: U1.47
ST1X: U1.7 U12.4 | length 84.3
  Top Layer w0.254: U1.7@72.402,78.85 72.402,79.707 v1(73.541,80.846)
  Bottom Signal Layer w0.254: v1(73.541,80.846) 80.145,80.846 84.209,76.782 84.209,69.547 81.931,67.269 81.931,54.883 77.351,50.303 77.351,17.814 74.811,15.274 v1(74.811,15.06)
  Bottom Layer w0.254: U12.4@72.214,17.133 72.214,16.514 72.652,16.076 73.795,16.076 v1(74.811,15.06)
ST1Y: U1.16 U32.4 | length 106.8
  Top Layer w0.254: v1(19.693,16.838) 20.496,17.641 U32.4@21.401,17.641 ; v1(61.73,73.988) 62.238,74.496 65.286,74.496 66.79,76 U1.16@68.552,76
  Bottom Signal Layer w0.254: v1(60.968,39.19) 60.968,48.374 58.039,51.303 58.039,60.986 58.047,60.994 58.047,61.836 58.039,61.844 58.039,70.297 v1(61.73,73.988)
  Bottom Layer w0.254: v1(19.693,16.838) 21.636,18.781 21.636,20.133 21.897,20.394 26.747,20.394 28.189,21.836 28.189,34.255 28.841,34.907 28.841,35.13 30.019,36.308 35.734,36.308 36.281,35.761 37.854,35.761 38.235,36.142 55.334,36.142 ; 55.334,36.106 58.472,39.243 60.661,39.243 60.968,38.936 v1(60.968,39.19)
ST2NX: U1.15 U22.3 | length 97.7
  Top Layer w0.254: v1(8.771,46.81) 8.954,46.627 U22.3@8.954,44.467 ; v1(62.238,75.893) 65.667,75.893 66.274,76.5 U1.15@68.552,76.5
  Top Signal Layer w0.254: v1(8.771,46.81) 8.771,52.16 6.358,54.573 6.358,71.382 14.536,79.56 40.497,79.56 46.958,73.099 50.773,73.099 53.567,75.893 v1(62.238,75.893)
ST2NY: U1.19
ST2NZ: U1.48
ST2X: U1.8 U12.3 | length 84
  Top Layer w0.254: v1(70.874,80.846) 71.902,79.818 U1.8@71.902,78.85
  Bottom Signal Layer w0.254: v1(70.874,80.846) 72.104,80.846 73.12,79.83 73.12,76.989 73.668,76.441 73.668,75.599 73.033,74.964 73.033,73.734 74.43,72.337 81.963,72.337 83.701,70.599 83.701,69.757 83.106,69.162 82.828,69.162 76.696,63.03 76.696,26.768 75.319,25.391 v1(75.319,17.219)
  Bottom Layer w0.254: U12.3@72.214,17.783 72.85,17.783 73.414,17.219 v1(75.319,17.219)
ST2Y: U1.17 U32.3 | length 109.8
  Top Layer w0.254: v1(17.915,19.251) 18.296,18.87 19.185,18.87 19.764,18.291 U32.3@21.401,18.291 ; v1(64.016,73.099) 65.032,73.099 67.433,75.5 U1.17@68.552,75.5
  Bottom Signal Layer w0.254: v1(63.127,39.19) 63.127,47.532 63.635,48.04 63.635,50.707 63.889,50.961 63.889,51.803 63.635,52.057 63.635,53.541 62.365,54.811 62.365,69.162 64.016,70.813 v1(64.016,73.099)
  Bottom Layer w0.254: v1(17.915,19.251) 18.677,18.489 18.677,16.417 19.272,15.822 23.839,15.822 25.116,17.099 25.116,18.745 26.257,19.886 26.957,19.886 32.064,24.993 32.064,31.114 35.06,34.11 35.481,34.11 36.076,34.705 36.076,35.126 36.203,35.253 37.859,35.253 38.441,34.671 47.519,34.671 48.165,35.317 49.006,35.317 49.07,35.253 55.195,35.253 55.266,35.324 55.271,35.324 58.682,38.735 59.986,38.735 60.547,38.174 61.389,38.174 62.077,38.862 62.181,38.862 63.127,37.916 v1(63.127,39.19)
STLINK-SWIM: J3.3 U1.1 | length 21.5
  Top Layer w0.254: v1(74.049,74.496) 74.049,75.639 75.402,76.992 U1.1@75.402,78.85
  Bottom Layer w0.254: J3.3@59.698,74.115 61.489,72.324 62.298,72.324 62.798,71.824 65.616,71.824 65.865,71.575 71.128,71.575 v1(74.049,74.496)
SWITCHES.3.NC: P.3
SWITCHES.6.NO: P.6
SWITCHES.7.COM: P.7
SWITCHES.9.NO: P.9
SWITCHES.10.COM.COM: H1.31 H1.33 J3.2 J4.2 J4.3 P.10 pad.1@85.09,5.08 | length 59.3
  Top Layer w0.254: J4.2@5.469,81.608 J4.3@8.009,81.608 48.969,81.608 H1.31@51.181,83.82
  Bottom Layer w0.254: 52.078,83.82 H1.33@53.721,83.82 54.618,82.923 54.618,80.246 59.479,75.385 J3.2@59.698,75.385
VCHRG: C17.1 C27.1 C37.1 C47.1 C57.1 U12.10 U12.11 U22.10 U22.11 U32.10 U32.11 U42.10 U42.11 U52.10 U52.11 U70.7 U70.8 | length 142.6
  Top Layer w0.254: C27.1@5.469,40.068 6.485,39.052 6.485,38.301 ; U22.10@8.954,40.511 U22.11@9.609,40.511 v1(9.609,39.139) ; U32.10@25.357,18.291 U32.11@25.357,18.946 25.433,18.87 v1(26.678,18.87) ; C37.1@25.927,14.933 26.562,15.568 v1(27.567,15.568) ; v1(58.098,15.898) U42.11@58.098,14.501 U42.10@58.753,14.501 ; v1(61.476,16.584) 61.476,15.706 C47.1@62.111,15.071
  Top Layer w0.508: v1@26.17,31.316 26.17,29.964 27.813,28.321 29.21,28.321
  Bottom Signal Layer w0.254: v1(9.609,39.139) 9.787,38.961 9.787,33.261 13.216,29.832 13.216,27.8 12.2,26.784 12.2,25.942 13.684,24.458 14.272,24.458 14.867,23.863 14.867,17.264 v1(18.796,13.335) ; v1(26.289,31.369) 26.678,30.98 v1(26.678,18.87) 27.567,17.981 v1(27.567,15.568) 36.711,15.568 v1(37.6,16.457) 39.378,14.679 v1@40.82,14.679 ; v1(41.156,14.679) v1@40.82,14.679 ; v1(66.683,18.362) 66.683,16.584 ; v1(67.191,16.076) 66.683,16.584 ; v1@40.82,14.679 38.781,12.64 38.781,9.606 40.566,7.821 45.006,7.821 45.728,8.543 45.728,13.703 46.958,14.933 57.133,14.933 v1(58.098,15.898) 60.79,15.898 v1(61.476,16.584) 66.683,16.584
  Bottom Layer w0.254: v1(18.796,13.335) 26.797,13.335 27.567,14.105 v1(27.567,15.568) ; C57.1@36.838,13.674 37.6,14.436 v1(37.6,16.457) ; U52.10@40.196,13.104 U52.11@40.851,13.104 40.978,13.231 40.978,14.501 v1(41.156,14.679) ; v1(66.683,18.362) 66.759,18.438 U12.11@68.258,18.438 U12.10@68.258,17.783 ; v1(67.191,16.076) 67.191,15.049 C17.1@67.688,14.552
WKUP: H1.29
pads on no net: H1.32 H1.41 H1.43 J3.0 J3.GND P5.2 P5.4 P5.6 U1.3 U1.4 U1.5 U1.6 U1.13 U1.21 U1.22 U1.23 U1.24 U1.25 U1.26 U1.27 U1.28 U1.29 U1.30 U1.31 U1.32 U1.33 U1.34 U1.35 U1.36 U1.43 U12.8 U12.14 U12.EP@5 U13.2 U13.5 U13.6 U13.12 U13.14 U18.2 U18.5 U18.12 U22.8 U22.14 U22.EP@5 U32.8 U32.14 U32.EP@5 U33.2 U33.6 U33.12 U33.13 U42.3 U42.4 U42.8 U42.14 U42.EP@5 U52.3 U52.4 U52.8 U52.14 U52.EP@5 U70. U70.3 U70.4 U70.5 U70.11 U70.12 U70.13 U70.14 U72.9 U73.4 U73.6 U74.4 U75.4 U82.9 U83.4 U83.7 U84.4 U85.4 X1.2 X1.3
copper on no net: | length 5
  Top Layer w0.254: 70.882,11.7 71.996,12.814 73.787,12.814 74.908,11.694

## Polygon pours and split planes (outlines as drawn)
ARRAYNX.4.NEG on Top Layer "Top Layer Pour" (solid, pour order 7): 2.802,95.197 2.294,94.689 33.282,94.689 36.076,91.895 56.015,91.895 57.92,93.8 57.92,94.943 88.146,94.943 88.781,95.578 88.781,50.874 80.653,50.874 79.637,49.858 79.637,38.047 81.161,36.523 88.781,36.523 88.781,1.725 88.146,1.09 88.019,1.217 58.047,1.217 58.047,2.487 56.904,3.63 37.092,3.63 36.203,4.519 35.06,3.376 35.06,1.09 1.278,1.09 0.516,1.852 0.516,36.777 0.643,36.777 3.183,39.317 3.183,51.128 2.548,51.128 0.77,52.906 0.77,94.562
ARRAYNX.4.NEG on Bottom Layer "Bottom Layer Pour" (solid, pour order 9): 1.558,95.054 34.578,95.054 35.848,93.784 35.848,93.022 57.184,93.022 58.073,93.911 58.073,94.927 88.68,94.927 88.807,95.054 88.934,94.927 88.934,50.858 82.203,50.858 79.79,48.445 79.917,48.318 79.917,38.158 80.298,38.158 81.695,36.761 81.949,36.507 89.061,36.507 89.061,1.963 88.299,1.201 88.172,1.074 57.692,1.074 57.692,2.725 57.057,3.36 56.676,3.741 35.594,3.741 35.594,1.455 35.086,0.947 34.832,0.693 1.558,0.693 1.558,36.38 1.177,36.761 3.59,39.174 3.59,50.604 3.082,51.112 1.304,52.89 0.923,52.89 0.923,94.419 1.558,95.054
ARRAYNX.4.NEG on GND-nBat "Vbatt" (solid, pour order 8): 88.527,84.783 88.527,94.181 88.019,94.689 57.92,94.689 57.92,93.292 56.65,92.022 35.568,92.022 34.425,93.165 34.425,94.689 2.294,94.689 1.405,93.8 1.405,52.525 3.056,50.874 3.056,37.666 2.929,37.666 1.405,36.142 1.405,2.614 2.802,1.217 34.298,1.217 34.298,2.106 36.076,3.884 56.65,3.884 56.65,3.376 58.809,1.217 63.762,1.217 63.762,7.567 64.27,8.075 64.27,11.377 68.842,11.377 70.239,9.98 70.112,9.853 70.112,7.821 70.62,7.313 79.256,7.313 79.256,10.107 82.431,13.282 82.296,13.417 82.296,30.48 79.629,30.48 79.629,32.766 77.851,32.766 77.343,32.639 76.962,32.766 76.581,32.639 75.573,33.729 75.573,56.208 75.954,56.589 76.081,56.462 82.177,56.462 82.177,78.306 81.669,78.306 78.494,81.481 50.681,81.481 50.3,81.862 50.554,82.116 50.554,84.656 50.681,84.783
SWITCHES.10.COM.COM on GND-nBat "Vbat-" (solid, pour order 6): 50.935,81.862 50.935,84.402 88.273,84.402 88.908,83.767 88.908,51.128 88.654,50.874 79.637,50.874 79.637,36.904 80.145,36.396 88.781,36.396 88.781,3.63 86.241,1.09 64.905,1.09 64.905,9.716 64.905,10.875 69.922,9.98 69.922,7.273 79.637,6.932 81.923,12.266 82.812,13.155 82.804,30.734 79.883,30.734 79.883,33.147 76.589,33.094 75.954,34.294 75.954,34.999 75.954,56.208 82.558,56.208 82.558,56.97 82.558,58.24 82.558,78.814 81.796,78.814 78.748,81.862
VCHRG on Vbat-chrg "Vbatt" (solid, pour order 12): 56.904,92.276 57.539,92.911 57.539,94.689 67.572,94.689 67.699,94.562 67.826,94.435 67.826,81.1 25.789,81.1 21.979,77.29 21.852,77.163 13.724,77.163 13.724,52.906 14.74,51.89 18.55,48.08 18.804,48.08 18.804,41.857 19.439,41.222 53.983,41.222 54.618,41.222 63.508,32.332 63.508,25.347 63.762,25.347 70.239,18.87 70.366,18.997 89.035,18.997 89.035,2.868 87.638,1.471 58.174,1.471 58.174,2.36 56.142,4.392 56.015,4.265 35.314,4.265 35.314,3.376 33.536,1.598 33.409,1.725 2.802,1.725 2.802,2.36 1.405,3.757 1.786,4.138 1.786,35.761 1.786,36.269 4.326,38.809 3.691,39.444 3.691,51.382 3.056,51.382 1.532,52.906 1.659,53.033 1.659,94.308 34.298,94.308 34.425,94.181 35.568,93.038 35.568,92.276 35.568,92.149 35.949,91.768 36.203,92.022 56.65,92.022
ARRAYNZ.10.COM on Vbat-chrg "Vbatt" (solid, pour order 10): 76.081,24.458 89.035,24.458 89.035,19.632 70.239,19.632 67.445,22.426 64.143,25.728 64.143,32.078 64.143,32.205 58.174,38.174 53.983,42.365 19.312,42.365 19.312,48.461 14.359,53.414 14.486,53.541 14.486,76.655 22.106,76.655 26.043,80.592 26.17,80.465 44.585,80.465 67.572,80.465 67.826,80.211
ARRAYNZ.8.NC on Vbat-chrg "Vin" (solid, pour order 2): 68.466,94.473 88.44,94.649 89.075,94.014 89.075,50.834 79.804,50.834 79.677,50.707 79.55,50.58 79.55,36.864 89.075,36.864 89.075,24.666 79.55,24.666 77.612,24.703 76.208,24.703 75.74,30.729 75.74,33.054 68.576,80.239
3V3 on Internal Plane 1 (split plane): 401 vertices, not listed, extent 0.518,0.518 89.668,95.388
5V on Internal Plane 2 (split plane): 401 vertices, not listed, extent 0.518,0.518 89.668,95.388